# Altium PCB WS2812_MATRIX.PcbDoc (part 4 of 4)
Units mil, origin at the board's own origin, x right, y up, seen from the top; angles counter-clockwise.
Board outline 6515.75 x 1791.34 mil, 2 copper layers (Top Layer, Bottom Layer); 516 components, 260 nets, 1546 pads, 523 vias.
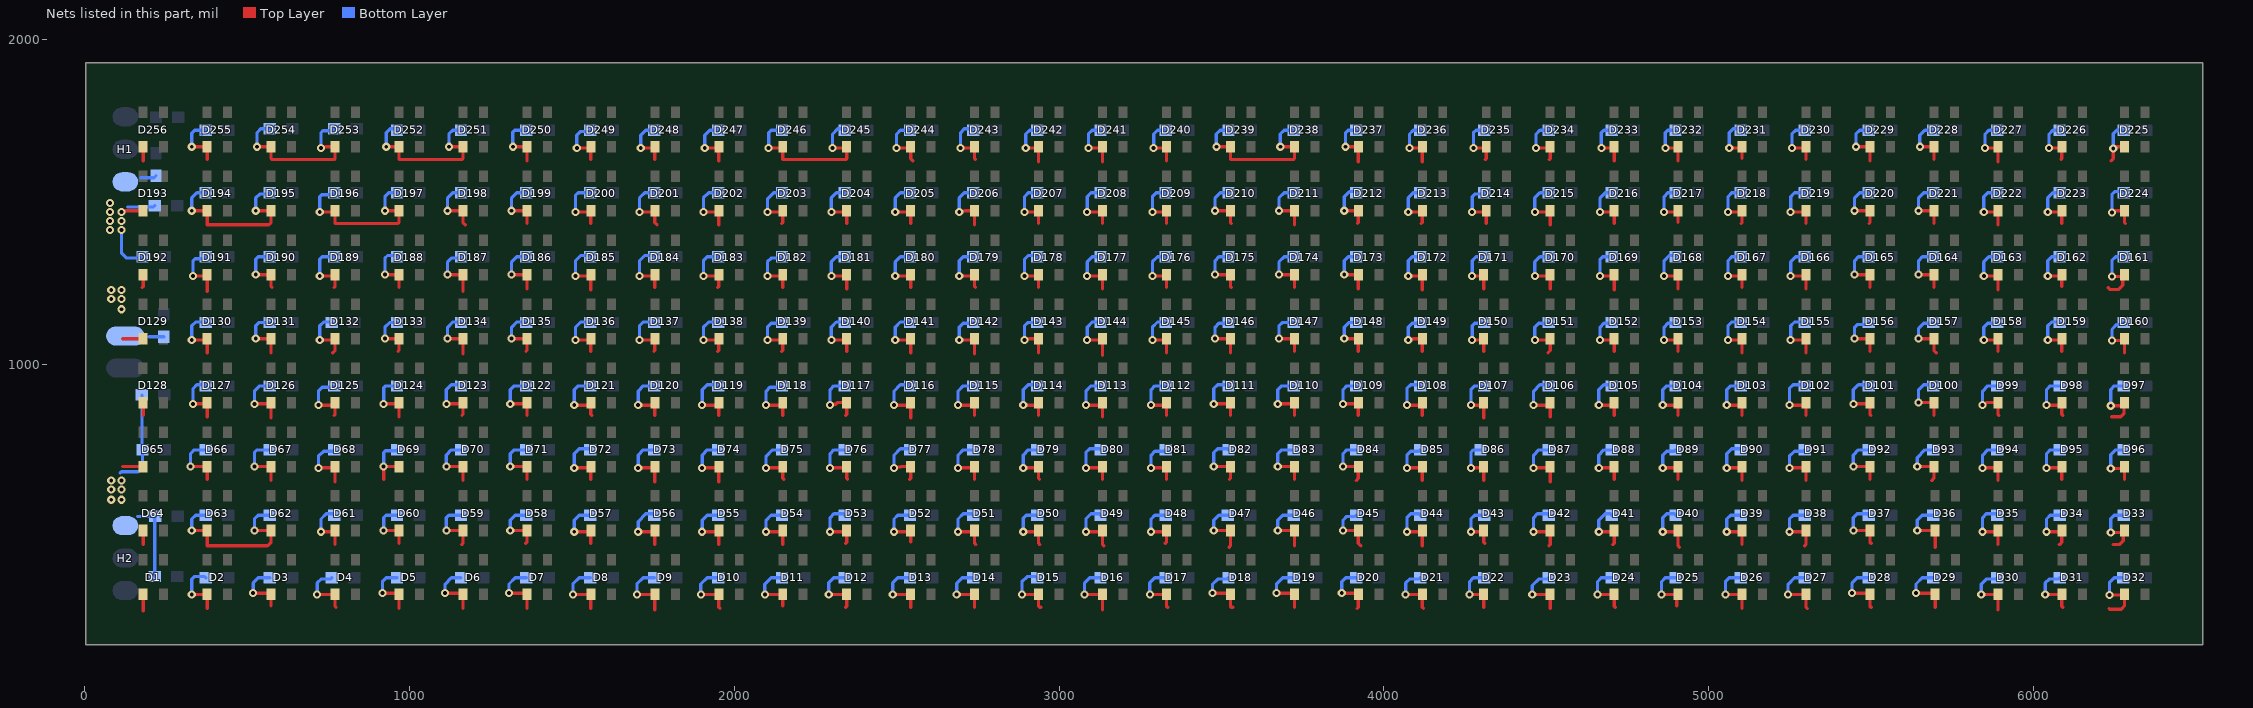
[diagram p4: the nets of this part, all layers, seen from the top]

## Via types
v1: diameter 25, hole 12, Top Layer to Bottom Layer, tented both sides, 523 vias

## Nets (pads, with @x,y where several pads share a name; then routed paths per layer and width w, separated by ;. In a path a pad name is that pad's centre, name@x,y a point inside that pad or via, vN(x,y) a via of type N, cw(c..) or ccw(c..) an arc to the next point about the centre after c; other vN are vias at no path point) (continued)
VCC: C1.1 C2.1 C3.1 C4.1 C5.1 C6.1 C7.1 C8.1 C9.1 C10.1 C11.1 C12.1 C13.1 C14.1 C15.1 C16.1 C17.1 C18.1 C19.1 C20.1 C21.1 C22.1 C23.1 C24.1 C25.1 C26.1 C27.1 C28.1 C29.1 C30.1 C31.1 C32.1 C33.1 C34.1 C35.1 C36.1 C37.1 C38.1 C39.1 C40.1 C41.1 C42.1 C43.1 C44.1 C45.1 C46.1 C47.1 C48.1 C49.1 C50.1 C51.1 C52.1 C53.1 C54.1 C55.1 C56.1 C57.1 C58.1 C59.1 C60.1 C61.1 C62.1 C63.1 C64.1 C65.1 C66.1 C67.1 C68.1 C69.1 C70.1 C71.1 C72.1 C73.1 C74.1 C75.1 C76.1 C77.1 C78.1 C79.1 C80.1 C81.1 C82.1 C83.1 C84.1 C85.1 C86.1 C87.1 C88.1 C89.1 C90.1 C91.1 C92.1 C93.1 C94.1 C95.1 C96.1 C97.1 C98.1 C99.1 C100.1 C101.1 C102.1 C103.1 C104.1 C105.1 C106.1 C107.1 C108.1 C109.1 C110.1 C111.1 C112.1 C113.1 C114.1 C115.1 C116.1 C117.1 C118.1 C119.1 C120.1 C121.1 C122.1 C123.1 C124.1 C125.1 C126.1 C127.1 C128.1 C129.1 C130.1 C131.1 C132.1 C133.1 C134.1 C135.1 C136.1 C137.1 C138.1 C139.1 C140.1 C141.1 C142.1 C143.1 C144.1 C145.1 C146.1 C147.1 C148.1 C149.1 C150.1 C151.1 C152.1 C153.1 C154.1 C155.1 C156.1 C157.1 C158.1 C159.1 C160.1 C161.1 C162.1 C163.1 C164.1 C165.1 C166.1 C167.1 C168.1 C169.1 C170.1 C171.1 C172.1 C173.1 C174.1 C175.1 C176.1 C177.1 C178.1 C179.1 C180.1 C181.1 C182.1 C183.1 C184.1 C185.1 C186.1 C187.1 C188.1 C189.1 C190.1 C191.1 C192.1 C193.1 C194.1 C195.1 C196.1 C197.1 C198.1 C199.1 C200.1 C201.1 C202.1 C203.1 C204.1 C205.1 C206.1 C207.1 C208.1 C209.1 C210.1 C211.1 C212.1 C213.1 C214.1 C215.1 C216.1 C217.1 C218.1 C219.1 C220.1 C221.1 C222.1 C223.1 C224.1 C225.1 C226.1 C227.1 C228.1 C229.1 C230.1 C231.1 C232.1 C233.1 C234.1 C235.1 C236.1 C237.1 C238.1 C239.1 C240.1 C241.1 C242.1 C243.1 C244.1 C245.1 C246.1 C247.1 C248.1 C249.1 C250.1 C251.1 C252.1 C253.1 C254.1 C255.1 C256.1 D1.1 D2.1 D3.1 D4.1 D5.1 D6.1 D7.1 D8.1 D9.1 D10.1 D11.1 D12.1 D13.1 D14.1 D15.1 D16.1 D17.1 D18.1 D19.1 D20.1 D21.1 D22.1 D23.1 D24.1 D25.1 D26.1 D27.1 D28.1 D29.1 D30.1 D31.1 D32.1 D33.1 D34.1 D35.1 D36.1 D37.1 D38.1 D39.1 D40.1 D41.1 D42.1 D43.1 D44.1 D45.1 D46.1 D47.1 D48.1 D49.1 D50.1 D51.1 D52.1 D53.1 D54.1 D55.1 D56.1 D57.1 D58.1 D59.1 D60.1 D61.1 D62.1 D63.1 D64.1 D65.1 D66.1 D67.1 D68.1 D69.1 D70.1 D71.1 D72.1 D73.1 D74.1 D75.1 D76.1 D77.1 D78.1 D79.1 D80.1 D81.1 D82.1 D83.1 D84.1 D85.1 D86.1 D87.1 D88.1 D89.1 D90.1 D91.1 D92.1 D93.1 D94.1 D95.1 D96.1 D97.1 D98.1 D99.1 D100.1 D101.1 D102.1 D103.1 D104.1 D105.1 D106.1 D107.1 D108.1 D109.1 D110.1 D111.1 D112.1 D113.1 D114.1 D115.1 D116.1 D117.1 D118.1 D119.1 D120.1 D121.1 D122.1 D123.1 D124.1 D125.1 D126.1 D127.1 D128.1 D129.1 D130.1 D131.1 D132.1 D133.1 D134.1 D135.1 D136.1 D137.1 D138.1 D139.1 D140.1 D141.1 D142.1 D143.1 D144.1 D145.1 D146.1 D147.1 D148.1 D149.1 D150.1 D151.1 D152.1 D153.1 D154.1 D155.1 D156.1 D157.1 D158.1 D159.1 D160.1 D161.1 D162.1 D163.1 D164.1 D165.1 D166.1 D167.1 D168.1 D169.1 D170.1 D171.1 D172.1 D173.1 D174.1 D175.1 D176.1 D177.1 D178.1 D179.1 D180.1 D181.1 D182.1 D183.1 D184.1 D185.1 D186.1 D187.1 D188.1 D189.1 D190.1 D191.1 D192.1 D193.1 D194.1 D195.1 D196.1 D197.1 D198.1 D199.1 D200.1 D201.1 D202.1 D203.1 D204.1 D205.1 D206.1 D207.1 D208.1 D209.1 D210.1 D211.1 D212.1 D213.1 D214.1 D215.1 D216.1 D217.1 D218.1 D219.1 D220.1 D221.1 D222.1 D223.1 D224.1 D225.1 D226.1 D227.1 D228.1 D229.1 D230.1 D231.1 D232.1 D233.1 D234.1 D235.1 D236.1 D237.1 D238.1 D239.1 D240.1 D241.1 D242.1 D243.1 D244.1 D245.1 D246.1 D247.1 D248.1 D249.1 D250.1 D251.1 D252.1 D253.1 D254.1 D255.1 D256.1 H1.1 H2.1 H3.1 | length 47705.7
  Top Layer w10: 118.11,685.04 D65.1@181.1,685.04 ; 118.11,1078.74 D129.1@181.1,1078.74 ; v1@125.98,1472.44 D193.1@181.1,1472.44 ; 178.23,1236.22 181.1,1239.09 D192.1@181.1,1275.59 ; 181.1,240.16 D1.1@181.1,291.34 ; 181.1,444.88 D64.1@181.1,488.19 ; 181.1,842.52 D128.1@181.1,881.89 ; 181.1,1625.98 D256.1@181.1,1669.29 ; v1(326.77,685.04) D66.1@377.95,685.04 377.95,645.67 ; v1(330.71,291.34) D2.1@377.95,291.34 377.95,248.03 ; v1(330.71,488.19) D63.1@377.95,488.19 377.95,440.94 564.06,440.94 574.8,451.69 D62.1@574.8,488.19 v1(523.62,488.19) ; v1(330.71,1074.8) 374.02,1074.8 D130.1@377.95,1078.74 377.95,1035.43 ; v1(330.71,1472.44) D194.1@377.95,1472.44 377.95,1429.13 567.99,1429.13 574.8,1435.94 D195.1@574.8,1472.44 v1(527.56,1472.44) ; v1(330.71,1669.29) D255.1@377.95,1669.29 377.95,1629.92 ; v1(334.65,877.95) 374.01,877.95 D127.1@377.95,881.89 377.95,838.58 ; v1(334.65,1271.65) 374.02,1271.65 D191.1@377.95,1275.59 377.95,1224.41 ; v1(519.69,295.28) 570.87,295.28 D3.1@574.8,291.34 574.8,255.91 ; v1(523.62,685.04) D67.1@574.8,685.04 574.8,641.73 ; v1(523.62,877.95) 570.86,877.95 D126.1@574.8,881.89 574.8,834.65 ; v1(527.56,1078.74) D131.1@574.8,1078.74 574.8,1035.43 ; v1(527.56,1275.59) D190.1@574.8,1275.59 574.8,1239.09 577.68,1236.22 ; v1(531.5,1669.29) D254.1@574.8,1669.29 574.8,1632.8 577.68,1629.92 768.78,1629.92 771.65,1632.8 D253.1@771.65,1669.29 742.87,1669.29 741.81,1668.22 731.22,1668.22 v1(728.35,1665.35) ; v1(716.54,291.34) D4.1@771.65,291.34 771.65,254.84 774.53,251.97 ; v1(720.47,681.1) 767.72,681.1 D68.1@771.65,685.04 771.65,637.8 ; v1(720.47,874.02) 763.78,874.02 D125.1@771.65,881.89 771.65,845.39 768.78,842.52 ; v1(724.41,1074.8) 767.72,1074.8 D132.1@771.65,1078.74 771.65,1042.24 764.84,1035.43 ; v1(724.41,1271.65) 767.72,1271.65 D189.1@771.65,1275.59 771.65,1239.09 768.78,1236.22 ; v1(724.41,1468.5) 767.72,1468.5 D196.1@771.65,1472.44 771.65,1433.07 965.63,1433.07 968.5,1435.94 D197.1@968.5,1472.44 v1(925.2,1472.44) ; v1(728.35,484.25) 767.72,484.25 D61.1@771.65,488.19 771.65,444.88 ; v1(917.32,295.28) 964.57,295.28 D5.1@968.5,291.34 968.5,248.03 ; v1(921.26,488.19) D60.1@968.5,488.19 968.5,448.82 ; 921.26,645.67 v1(921.26,685.04) D69.1@968.5,685.04 ; v1(921.26,877.95) 964.57,877.95 D124.1@968.5,881.89 968.5,838.58 ; v1(925.2,1078.74) D133.1@968.5,1078.74 968.5,1042.24 965.63,1039.37 ; v1(925.2,1275.59) D188.1@968.5,1275.59 968.5,1236.22 ; v1(929.13,1669.29) D252.1@968.5,1669.29 968.5,1629.92 1162.48,1629.92 1165.35,1632.8 D251.1@1165.35,1669.29 v1(1122.05,1669.29) ; v1(1110.24,295.28) 1161.42,295.28 D6.1@1165.35,291.34 1165.35,248.03 ; v1(1114.17,488.19) D59.1@1165.35,488.19 1165.35,448.82 1161.42,444.88 ; v1(1114.17,685.04) D70.1@1165.35,685.04 1165.35,641.73 ; v1(1114.17,877.95) 1161.42,877.95 D123.1@1165.35,881.89 1165.35,845.39 1162.48,842.52 ; v1(1118.11,1078.74) D134.1@1165.35,1078.74 1165.35,1031.5 ; v1(1118.11,1275.59) D187.1@1165.35,1275.59 1165.35,1224.41 ; v1(1118.11,1472.44) D198.1@1165.35,1472.44 1165.35,1435.94 1172.17,1429.13 ; v1(1307.09,295.28) 1358.27,295.28 D7.1@1362.2,291.34 1362.2,248.03 ; v1(1311.02,488.19) D58.1@1362.2,488.19 1362.2,451.69 1359.33,448.82 1358.27,448.82 ; v1(1311.02,685.04) D71.1@1362.2,685.04 1362.2,645.67 ; v1(1311.02,877.95) 1358.27,877.95 D122.1@1362.2,881.89 1362.2,842.52 ; v1(1314.96,1078.74) D135.1@1362.2,1078.74 1362.2,1042.24 1359.33,1039.37 ; v1(1314.96,1275.59) D186.1@1362.2,1275.59 1362.2,1232.28 ; v1(1314.96,1472.44) D199.1@1362.2,1472.44 1362.2,1433.07 ; v1(1318.9,1669.29) D250.1@1362.2,1669.29 1362.2,1625.99 ; v1(1503.94,291.34) D8.1@1559.05,291.34 1559.05,248.03 ; v1(1507.87,484.25) 1555.12,484.25 D57.1@1559.05,488.19 1559.05,448.82 ; v1(1507.87,681.1) 1555.12,681.1 D72.1@1559.05,685.04 1559.05,645.67 ; v1(1507.87,874.02) 1551.18,874.02 D121.1@1559.05,881.89 1559.05,845.39 1561.93,842.52 ; v1(1511.81,1074.8) 1555.12,1074.8 D136.1@1559.05,1078.74 1559.05,1039.37 ; v1(1511.81,1271.65) 1555.12,1271.65 D185.1@1559.05,1275.59 1559.05,1228.35 ; v1(1511.81,1468.5) 1555.12,1468.5 D200.1@1559.05,1472.44 1559.05,1433.07 ; v1(1515.75,1665.35) 1555.12,1665.35 D249.1@1559.05,1669.29 1559.05,1629.92 ; v1(1700.79,291.34) D9.1@1755.9,291.34 1755.9,244.1 ; v1(1704.72,484.25) 1751.97,484.25 D56.1@1755.9,488.19 1755.9,480.32 1755.91,444.88 ; v1(1704.72,681.1) 1751.97,681.1 D73.1@1755.9,685.04 1755.9,637.8 ; v1(1704.72,874.02) 1748.03,874.02 D120.1@1755.9,881.89 1755.9,842.52 ; v1(1708.66,1074.8) 1751.97,1074.8 D137.1@1755.9,1078.74 1755.9,1042.24 1753.03,1039.37 ; v1(1708.66,1271.65) 1751.97,1271.65 D184.1@1755.9,1275.59 1755.9,1236.22 ; v1(1708.66,1468.5) 1751.97,1468.5 D201.1@1755.9,1472.44 1755.9,1435.94 1762.72,1429.13 ; v1(1712.6,1665.35) 1751.97,1665.35 D248.1@1755.9,1669.29 1755.9,1629.92 ; v1(1897.64,291.34) D10.1@1952.76,291.34 1952.76,251.97 1956.69,248.03 ; v1(1901.57,484.25) 1948.82,484.25 D55.1@1952.76,488.19 1952.76,444.88 ; v1(1901.57,681.1) 1948.82,681.1 D74.1@1952.76,685.04 1952.76,637.8 ; v1(1901.57,874.02) 1944.88,874.02 D119.1@1952.76,881.89 1952.76,842.52 ; v1(1905.51,1074.8) 1948.82,1074.8 D138.1@1952.76,1078.74 1952.76,1042.24 1949.88,1039.37 ; v1(1905.51,1271.65) 1948.82,1271.65 D183.1@1952.76,1275.59 1952.76,1239.09 1949.88,1236.22 ; v1(1905.51,1468.5) 1948.82,1468.5 D202.1@1952.75,1472.44 1952.75,1429.13 ; v1(1909.45,1665.35) D247.1@1952.75,1665.35 ; 1952.75,1625.99 1952.75,1656.57 1943.98,1656.57 D247.1@1952.75,1665.35 ; D247.1@1952.75,1669.29 D247.1@1952.75,1665.35 ; v1(2094.49,291.34) D11.1@2149.61,291.34 2149.61,255.91 ; v1(2098.43,484.25) 2145.67,484.25 D54.1@2149.61,488.19 2149.61,444.88 ; v1(2098.43,681.1) 2145.67,681.1 D75.1@2149.61,685.04 2149.61,648.54 2152.48,645.67 ; v1(2098.43,874.02) 2141.73,874.02 D118.1@2149.61,881.89 2149.61,842.52 ; v1(2102.36,1074.8) 2145.67,1074.8 D139.1@2149.61,1078.74 2149.61,1042.24 2146.73,1039.37 ; v1(2102.36,1271.65) 2145.67,1271.65 D182.1@2149.61,1275.59 2149.61,1236.22 ; v1(2102.36,1468.5) 2145.67,1468.5 D203.1@2149.61,1472.44 2149.61,1435.94 2146.73,1433.07 ; v1(2106.3,1665.35) 2145.67,1665.35 D246.1@2149.61,1669.29 2149.61,1629.92 2343.58,1629.92 2346.46,1632.8 D245.1@2346.46,1669.29 2342.52,1665.35 v1(2303.15,1665.35) ; v1(2291.34,291.34) D12.1@2346.46,291.34 2346.46,254.84 2343.58,251.97 2342.52,251.97 ; v1(2295.28,484.25) 2342.52,484.25 D53.1@2346.46,488.19 2346.46,451.69 2343.58,448.82 2342.52,448.82 ; v1(2295.28,681.1) 2342.52,681.1 D76.1@2346.46,685.04 2346.46,648.54 2349.33,645.67 ; v1(2295.28,874.02) 2298.15,876.89 2312.67,876.89 2317.68,881.89 D117.1@2346.46,881.89 2346.46,845.39 2343.58,842.52 ; v1(2299.21,1074.8) 2342.52,1074.8 D140.1@2346.46,1078.74 2346.46,1039.37 ; v1(2299.21,1271.65) 2342.52,1271.65 D181.1@2346.46,1275.59 2346.46,1232.28 ; v1(2299.21,1468.5) 2342.52,1468.5 D204.1@2346.46,1472.44 2346.46,1433.07 ; v1(2488.19,291.34) D13.1@2543.31,291.34 2543.31,251.97 ; v1(2492.13,484.25) 2539.37,484.25 D52.1@2543.31,488.19 2543.31,452.76 ; v1(2492.13,681.1) 2495,683.97 2513.46,683.97 2514.53,685.04 D77.1@2543.31,685.04 2543.31,648.54 2540.43,645.67 ; v1(2492.13,874.02) 2535.43,874.02 D116.1@2543.31,881.89 2543.31,834.65 ; v1(2496.06,1074.8) 2539.37,1074.8 D141.1@2543.31,1078.74 2543.31,1035.43 ; v1(2496.06,1271.65) 2539.37,1271.65 D180.1@2543.31,1275.59 2543.31,1236.22 ; v1(2496.06,1468.5) 2539.37,1468.5 D205.1@2543.31,1472.44 2543.31,1433.07 ; v1(2500,1665.35) 2539.37,1665.35 D244.1@2543.31,1669.29 2543.31,1632.8 2550.12,1625.98 ; v1(2685.04,291.34) D14.1@2740.16,291.34 2740.16,251.97 ; v1(2688.98,484.25) 2736.22,484.25 D51.1@2740.16,488.19 2740.16,448.82 2744.09,444.88 ; v1(2688.98,681.1) 2736.22,681.1 D78.1@2740.16,685.04 2740.16,645.67 ; v1(2688.98,874.02) 2732.28,874.02 D115.1@2740.16,881.89 2740.16,842.52 ; v1(2692.91,1074.8) 2736.22,1074.8 D142.1@2740.16,1078.74 2740.16,1031.49 ; v1(2692.91,1271.65) 2736.22,1271.65 D179.1@2740.16,1275.59 2740.16,1239.09 2743.03,1236.22 ; v1(2692.91,1468.5) 2695.78,1471.37 2710.31,1471.37 2711.38,1472.44 D206.1@2740.16,1472.44 2740.16,1429.14 ; v1(2696.85,1665.35) 2736.22,1665.35 D243.1@2740.16,1669.29 2740.16,1632.8 2743.03,1629.92 ; v1(2885.83,291.34) D15.1@2937.01,291.34 2937.01,254.84 2939.88,251.97 2944.88,251.97 ; v1(2889.76,484.25) 2933.07,484.25 D50.1@2937.01,488.19 2937.01,448.82 2940.94,444.88 ; v1(2889.76,681.1) 2933.07,681.1 D79.1@2937.01,685.04 2937.01,648.54 2939.88,645.67 ; v1(2889.76,874.02) 2929.13,874.02 D114.1@2937.01,881.89 2937.01,842.52 ; v1(2893.7,1074.8) 2896.57,1077.67 2907.16,1077.67 2908.23,1078.74 D143.1@2937.01,1078.74 2937.01,1035.43 ; v1(2893.7,1271.65) 2933.07,1271.65 D178.1@2937.01,1275.59 2937.01,1236.22 ; v1(2893.7,1468.5) 2933.07,1468.5 D207.1@2937.01,1472.44 2937.01,1433.07 ; v1(2897.64,1665.35) 2933.07,1665.35 D242.1@2937.01,1669.29 2937.01,1622.05 ; v1(3078.74,291.34) D16.1@3133.86,291.34 3133.86,244.09 ; v1(3082.68,484.25) 3129.92,484.25 D49.1@3133.86,488.19 3133.86,444.88 3137.8,440.94 ; v1(3082.68,681.1) 3129.92,681.1 D80.1@3133.86,685.04 3133.86,645.67 ; v1(3082.68,874.02) 3125.98,874.02 D113.1@3133.86,881.89 3133.86,838.58 ; v1(3086.61,1074.8) 3129.92,1074.8 D144.1@3133.86,1078.74 3133.86,1027.56 ; v1(3086.61,1271.65) 3129.92,1271.65 D177.1@3133.86,1275.59 3133.86,1232.28 ; v1(3086.61,1468.5) 3129.92,1468.5 D208.1@3133.86,1472.44 3133.86,1433.07 ; v1(3090.55,1665.35) 3129.92,1665.35 D241.1@3133.86,1669.29 3133.86,1622.05 ; v1(3279.53,291.34) D17.1@3330.71,291.34 3330.71,254.84 3333.58,251.97 3334.65,251.97 ; v1(3283.46,484.25) 3326.77,484.25 D48.1@3330.71,488.19 3330.71,451.69 3327.83,448.82 3326.77,448.82 ; v1(3283.46,681.1) 3326.77,681.1 D81.1@3330.71,685.04 3330.71,645.67 ; v1(3283.46,874.02) 3322.83,874.02 D112.1@3330.71,881.89 3330.71,842.52 ; v1(3287.4,1074.8) 3326.77,1074.8 D145.1@3330.71,1078.74 3330.71,1035.43 ; v1(3287.4,1271.65) 3326.77,1271.65 D176.1@3330.71,1275.59 3330.71,1236.22 ; v1(3287.4,1468.5) 3326.77,1468.5 D209.1@3330.71,1472.44 3330.71,1433.07 ; v1(3291.34,1665.35) 3326.77,1665.35 D240.1@3330.71,1669.29 3330.71,1625.99 ; v1(3472.44,295.28) 3523.62,295.28 D18.1@3527.56,291.34 3527.56,254.84 3530.43,251.97 3535.43,251.97 ; v1(3476.38,488.19) D47.1@3527.56,488.19 3527.56,440.95 3523.62,437.01 ; v1(3476.38,685.04) D82.1@3527.56,685.04 3527.56,648.54 3524.69,645.67 ; v1(3476.38,877.95) 3523.62,877.95 D111.1@3527.56,881.89 3527.56,842.52 ; v1(3480.32,1078.74) D146.1@3527.56,1078.74 3527.56,1035.43 ; v1(3480.32,1275.59) D175.1@3527.56,1275.59 3527.56,1239.09 3530.43,1236.22 ; v1(3480.32,1472.44) D210.1@3527.56,1472.44 3527.56,1435.94 3530.43,1433.07 ; v1(3484.25,1669.29) D239.1@3527.56,1669.29 3527.56,1629.92 3721.53,1629.92 3724.41,1632.8 D238.1@3724.41,1669.29 v1(3681.1,1669.29) ; v1(3669.29,295.28) 3720.47,295.28 D19.1@3724.41,291.34 3724.41,251.97 ; v1(3673.23,488.19) D46.1@3724.41,488.19 3724.41,440.94 ; v1(3673.23,685.04) D83.1@3724.41,685.04 3724.41,645.67 ; v1(3673.23,877.95) 3720.47,877.95 D110.1@3724.41,881.89 3724.41,842.52 ; v1(3677.17,1078.74) D147.1@3724.41,1078.74 3724.41,1039.37 ; v1(3677.17,1275.59) D174.1@3724.41,1275.59 3724.41,1236.22 ; v1(3677.17,1472.44) D211.1@3724.41,1472.44 3724.41,1429.14 ; v1(3870.08,295.28) 3917.32,295.28 D20.1@3921.26,291.34 3921.26,251.97 3917.32,248.03 ; v1(3874.02,488.19) D45.1@3921.26,488.19 3921.26,448.82 3929.13,440.94 ; v1(3874.02,685.04) D84.1@3921.26,685.04 3921.26,648.54 3914.45,641.73 ; v1(3874.02,877.95) 3917.32,877.95 D109.1@3921.26,881.89 3921.26,842.52 ; v1(3877.95,1078.74) D148.1@3921.26,1078.74 3921.26,1039.37 ; v1(3877.95,1275.59) D173.1@3921.26,1275.59 3921.26,1232.28 ; v1(3877.95,1472.44) D212.1@3921.26,1472.44 3921.26,1435.94 3918.38,1433.07 ; v1(3881.89,1669.29) D237.1@3921.26,1669.29 3921.26,1622.05 ; v1(4066.93,291.34) D21.1@4118.11,291.34 4118.11,251.97 4122.05,248.03 ; v1(4070.87,484.25) 4114.17,484.25 D44.1@4118.11,488.19 4118.11,440.94 ; v1(4070.87,681.1) 4114.17,681.1 D85.1@4118.11,685.04 4118.11,641.73 ; v1(4070.87,874.02) 4110.23,874.02 D108.1@4118.11,881.89 4118.11,842.52 ; v1(4074.8,1074.8) 4077.67,1077.67 4088.26,1077.67 4089.33,1078.74 D149.1@4118.11,1078.74 4118.11,1039.37 ; v1(4074.8,1271.65) 4114.17,1271.65 D172.1@4118.11,1275.59 4118.11,1228.35 ; v1(4074.8,1468.5) 4114.17,1468.5 D213.1@4118.11,1472.44 4118.11,1435.94 4115.24,1433.07 ; v1(4078.74,1665.35) 4114.17,1665.35 D236.1@4118.11,1669.29 4118.11,1622.05 ; v1(4263.78,291.34) D22.1@4307.09,291.34 4307.09,251.97 ; v1(4267.72,484.25) 4303.15,484.25 D43.1@4307.09,488.19 4307.09,451.69 4309.96,448.82 4311.02,448.82 ; v1(4267.72,681.1) 4303.15,681.1 D86.1@4307.09,685.04 4307.09,641.73 ; v1(4267.72,874.02) 4299.21,874.02 D107.1@4307.09,881.89 4307.09,834.65 ; v1(4271.65,1074.8) 4303.15,1074.8 D150.1@4307.09,1078.74 4307.09,1039.37 ; v1(4271.65,1271.65) 4303.15,1271.65 D171.1@4307.09,1275.59 4307.09,1232.28 ; v1(4271.65,1468.5) 4311.02,1468.5 D214.1@4314.96,1464.57 ; v1(4275.59,1665.35) 4311.02,1665.35 D235.1@4314.96,1669.29 4314.96,1632.8 4312.08,1629.92 ; 4314.96,1433.07 D214.1@4314.96,1464.57 ; D214.1@4314.96,1472.44 D214.1@4314.96,1464.57 ; v1(4456.69,291.34) D23.1@4511.81,291.34 4511.81,248.03 ; v1(4460.63,484.25) 4507.87,484.25 D42.1@4511.81,488.19 4511.81,444.88 4507.87,440.94 ; v1(4460.63,681.1) 4507.87,681.1 D87.1@4511.81,685.04 4511.81,637.79 ; v1(4460.63,874.02) 4503.93,874.02 D106.1@4511.81,881.89 4511.81,838.58 ; v1(4464.57,1074.8) 4507.87,1074.8 D151.1@4511.81,1078.74 4511.81,1042.24 4505,1035.43 ; v1(4464.57,1271.65) 4507.87,1271.65 D170.1@4511.81,1275.59 4511.81,1232.28 ; v1(4464.57,1468.5) 4507.87,1468.5 D215.1@4511.81,1472.44 4511.81,1429.14 ; v1(4468.5,1665.35) 4507.87,1665.35 D234.1@4511.81,1669.29 4511.81,1632.8 4508.93,1629.92 ; v1(4657.48,291.34) D24.1@4708.66,291.34 4708.66,254.84 4711.54,251.97 4712.6,251.97 ; v1(4661.42,484.25) 4704.72,484.25 D41.1@4708.66,488.19 4708.66,448.82 4704.72,444.88 ; v1(4661.42,681.1) 4704.72,681.1 D88.1@4708.66,685.04 4708.66,645.67 ; v1(4661.42,874.02) 4700.78,874.02 D105.1@4708.66,881.89 4708.66,842.52 ; v1(4665.35,1074.8) 4704.72,1074.8 D152.1@4708.66,1078.74 4708.66,1039.37 ; v1(4665.35,1271.65) 4704.72,1271.65 D169.1@4708.66,1275.59 4708.66,1228.35 ; v1(4665.35,1468.5) 4704.72,1468.5 D216.1@4708.66,1472.44 4708.66,1433.07 ; v1(4669.29,1665.35) 4704.72,1665.35 D233.1@4708.66,1669.29 4708.66,1625.99 ; v1(4854.33,291.34) D25.1@4905.51,291.34 4901.57,287.4 4901.57,255.91 ; v1(4858.27,484.25) 4901.58,484.25 D40.1@4905.51,488.19 4905.51,440.94 4909.45,437.01 ; v1(4858.27,681.1) 4901.57,681.1 D89.1@4905.51,685.04 4905.51,645.67 ; v1(4858.27,874.02) 4897.64,874.02 D104.1@4905.51,881.89 4905.51,842.52 ; v1(4862.2,1074.8) 4901.58,1074.8 D153.1@4905.51,1078.74 4905.51,1039.37 ; v1(4862.2,1271.65) 4901.58,1271.65 D168.1@4905.51,1275.59 4905.51,1232.28 ; v1(4862.2,1468.5) 4901.57,1468.5 D217.1@4905.51,1472.44 4905.51,1437.01 ; v1(4866.14,1665.35) 4901.57,1665.35 D232.1@4905.51,1669.29 4905.51,1625.99 ; v1(5051.18,291.34) D26.1@5102.36,291.34 5102.36,248.03 ; v1(5055.12,484.25) 5098.43,484.25 D39.1@5102.36,488.19 5102.36,444.88 ; v1(5055.12,681.1) 5098.42,681.1 D90.1@5102.36,685.04 5102.36,641.73 ; v1(5055.12,874.02) 5094.49,874.02 D103.1@5102.36,881.89 5102.36,842.52 ; v1(5059.06,1074.8) 5098.43,1074.8 D154.1@5102.36,1078.74 5102.36,1035.43 ; v1(5059.06,1271.65) 5098.43,1271.65 D167.1@5102.36,1275.59 5102.36,1236.22 ; v1(5059.06,1468.5) 5098.43,1468.5 D218.1@5102.36,1472.44 5102.36,1435.94 5099.49,1433.07 ; v1(5062.99,1665.35) 5098.42,1665.35 D231.1@5102.36,1669.29 5102.36,1633.86 ; v1(5244.09,291.34) D27.1@5299.21,291.34 5299.21,251.97 5303.15,248.03 ; v1(5248.03,484.25) 5295.28,484.25 D38.1@5299.21,488.19 5299.21,444.88 5295.28,440.94 ; v1(5248.03,681.1) 5295.27,681.1 D91.1@5299.21,685.04 5299.21,641.73 ; v1(5248.03,874.02) 5291.34,874.02 D102.1@5299.21,881.89 5299.21,842.52 ; v1(5251.97,1074.8) 5295.28,1074.8 D155.1@5299.21,1078.74 5299.21,1035.43 ; v1(5251.97,1271.65) 5295.28,1271.65 D166.1@5299.21,1275.59 5299.21,1232.28 ; v1(5251.97,1468.5) 5295.27,1468.5 D219.1@5299.21,1472.44 5299.21,1433.07 ; v1(5255.91,1665.35) 5295.27,1665.35 D230.1@5299.21,1669.29 5299.21,1629.92 ; v1(5440.94,295.28) 5492.12,295.28 D28.1@5496.06,291.34 5496.06,254.84 5498.94,251.97 5500,251.97 ; v1(5444.88,488.19) D37.1@5496.06,488.19 5496.06,451.69 5498.94,448.82 5500,448.82 ; v1(5444.88,685.04) D92.1@5496.06,685.04 5496.06,645.67 ; v1(5444.88,877.95) 5492.13,877.95 D101.1@5496.06,881.89 5496.06,845.39 5498.94,842.52 ; v1(5448.82,1078.74) D156.1@5496.06,1078.74 5496.06,1039.37 ; v1(5448.82,1275.59) D165.1@5496.06,1275.59 5496.06,1236.22 ; v1(5448.82,1472.44) D220.1@5496.06,1472.44 5496.06,1435.94 5493.19,1433.07 ; v1(5452.76,1669.29) D229.1@5496.06,1669.29 5496.06,1625.98 ; v1(5637.8,295.28) 5692.91,295.28 D29.1@5696.85,291.34 5696.85,251.97 ; v1(5641.73,488.19) D36.1@5696.85,488.19 5696.85,437.01 ; v1(5641.73,685.04) D93.1@5692.91,685.04 5692.91,648.54 5686.1,641.73 ; v1(5645.67,881.89) D100.1@5692.91,881.89 5692.91,842.52 ; v1(5645.67,1078.74) D157.1@5692.91,1078.74 5692.91,1042.24 5699.72,1035.43 ; v1(5645.67,1275.59) D164.1@5692.91,1275.59 5692.91,1236.22 ; v1(5645.67,1472.44) D221.1@5692.91,1472.44 5692.91,1433.07 ; v1(5649.61,1669.29) D228.1@5692.91,1669.29 ; 5692.91,1629.92 D228.1@5692.91,1669.29 ; D228.1@5696.85,1665.35 D228.1@5692.91,1669.29 ; v1(5838.58,291.34) D30.1@5889.76,291.34 5889.76,244.1 ; v1(5842.52,484.25) 5885.82,484.25 D35.1@5889.76,488.19 5889.76,444.89 ; v1(5842.52,681.1) 5885.82,681.1 D94.1@5889.76,685.04 5889.76,641.73 ; v1(5842.52,874.02) 5846.58,874.02 5854.45,881.89 D99.1@5889.76,881.89 5889.76,845.39 5892.64,842.52 ; v1(5846.46,1074.8) 5885.82,1074.8 D158.1@5889.76,1078.74 5889.76,1039.37 ; v1(5846.46,1271.65) 5885.82,1271.65 D163.1@5889.76,1275.59 5889.76,1228.34 ; v1(5846.46,1468.5) 5885.82,1468.5 D222.1@5889.76,1472.44 5889.76,1429.13 ; v1(5850.39,1665.35) 5885.82,1665.35 D227.1@5889.76,1669.29 5889.76,1622.05 ; v1(6035.43,291.34) D31.1@6086.61,291.34 6086.61,254.84 6089.48,251.97 6090.55,251.97 ; v1(6039.37,484.25) 6082.67,484.25 D34.1@6086.61,488.19 6086.61,451.69 6079.8,444.88 6078.74,444.88 ; v1(6039.37,681.1) 6082.67,681.1 D95.1@6086.61,685.04 6086.61,645.67 ; v1(6039.37,874.02) 6078.74,874.02 D98.1@6086.61,881.89 6086.61,845.39 6089.48,842.52 ; v1(6043.31,1074.8) 6082.67,1074.8 D159.1@6086.61,1078.74 6086.61,1039.37 ; v1(6043.31,1271.65) 6082.68,1271.65 D162.1@6086.61,1275.59 6086.61,1240.16 ; v1(6043.31,1468.5) 6082.68,1468.5 D223.1@6086.61,1472.44 6086.61,1433.07 ; v1(6047.24,1665.35) 6082.67,1665.35 D226.1@6086.61,1669.29 6086.61,1632.8 6083.74,1629.92 ; 6228.35,1236.22 6234.25,1230.31 6261.81,1230.31 6274.37,1242.87 D161.1@6274.37,1270.43 ; 6232.28,248.03 6234.25,246.06 6269.69,246.06 6279.53,255.91 D32.1@6279.53,291.34 6277.61,289.42 v1(6233.08,289.42) ; v1(6237.02,679.18) 6273.67,679.18 D96.1@6279.53,685.04 6279.53,645.67 ; v1(6237.02,872.1) 6270.75,872.1 D97.1@6278.31,879.66 ; 6238.08,1625.98 6244.89,1632.8 v1(6244.89,1663.43) 6250.75,1669.29 D225.1@6279.53,1669.29 ; v1@6238.94,484.25 v1(6237.02,482.33) 6273.67,482.33 D33.1@6275.59,484.25 ; 6240.16,838.58 6267.72,838.58 6278.31,849.17 D97.1@6278.31,879.66 ; v1(6240.95,1072.88) 6273.67,1072.88 D160.1@6279.53,1078.74 6279.53,1035.43 ; v1(6240.95,1269.73) 6273.67,1269.73 D161.1@6274.37,1270.43 ; v1(6240.95,1466.58) 6244.89,1466.58 6250.75,1472.44 D224.1@6279.53,1472.44 6279.53,1435.94 6282.4,1433.07 ; 6244.09,444.88 6263.78,444.88 6275.59,456.69 D33.1@6275.59,484.25 ; D33.1@6279.53,488.19 D33.1@6275.59,484.25 ; D97.1@6279.53,881.89 6279.53,880.88 D97.1@6278.31,879.66 ; D161.1@6279.53,1275.59 D161.1@6274.37,1270.43